# Altium PCB GEM_AFE_128.PcbDoc (part 1 of 18)
Units mm, origin at the board's own origin, x right, y up, seen from the top; angles counter-clockwise.
Board outline 112 x 81.5 mm, 8 copper layers (Top Layer, L1, L2, L3, L4, L5, L6, Bottom Layer), stack 1.52 mm thick; 1880 components, 1258 nets, 6287 pads, 2369 vias.
Unrouted connection lines stored in the file: 4.
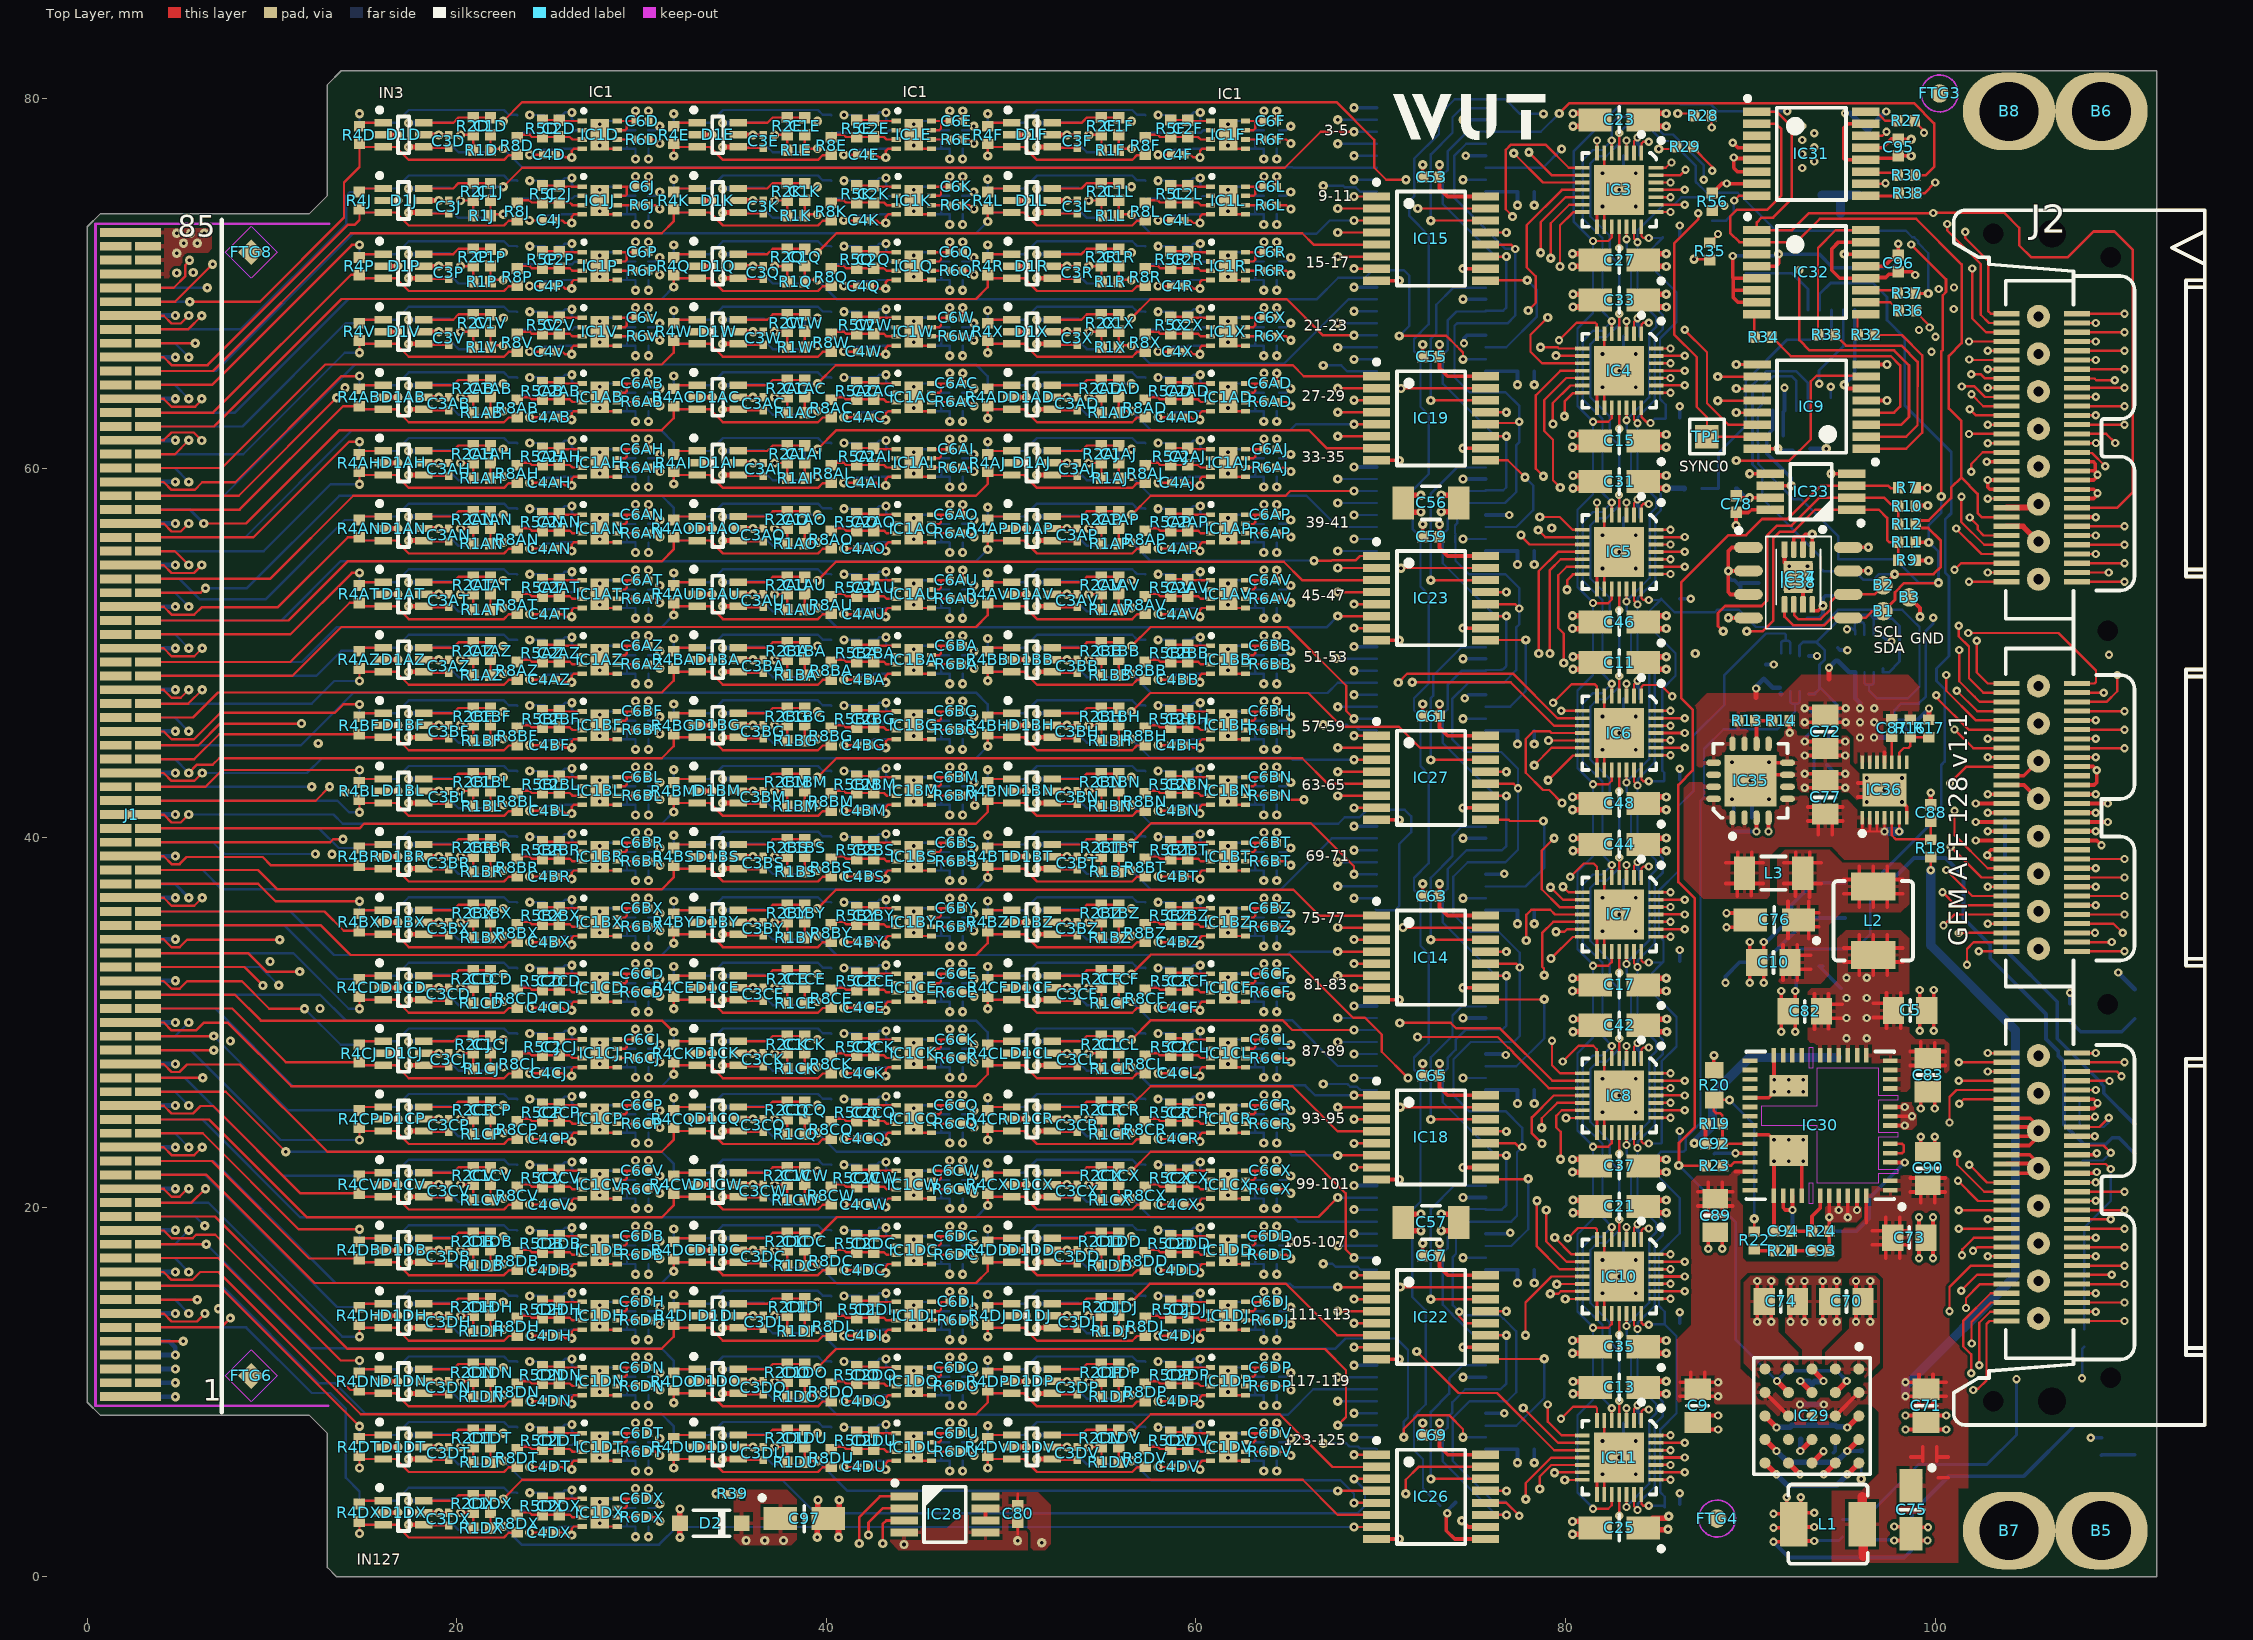
[diagram p0: Top Layer view]
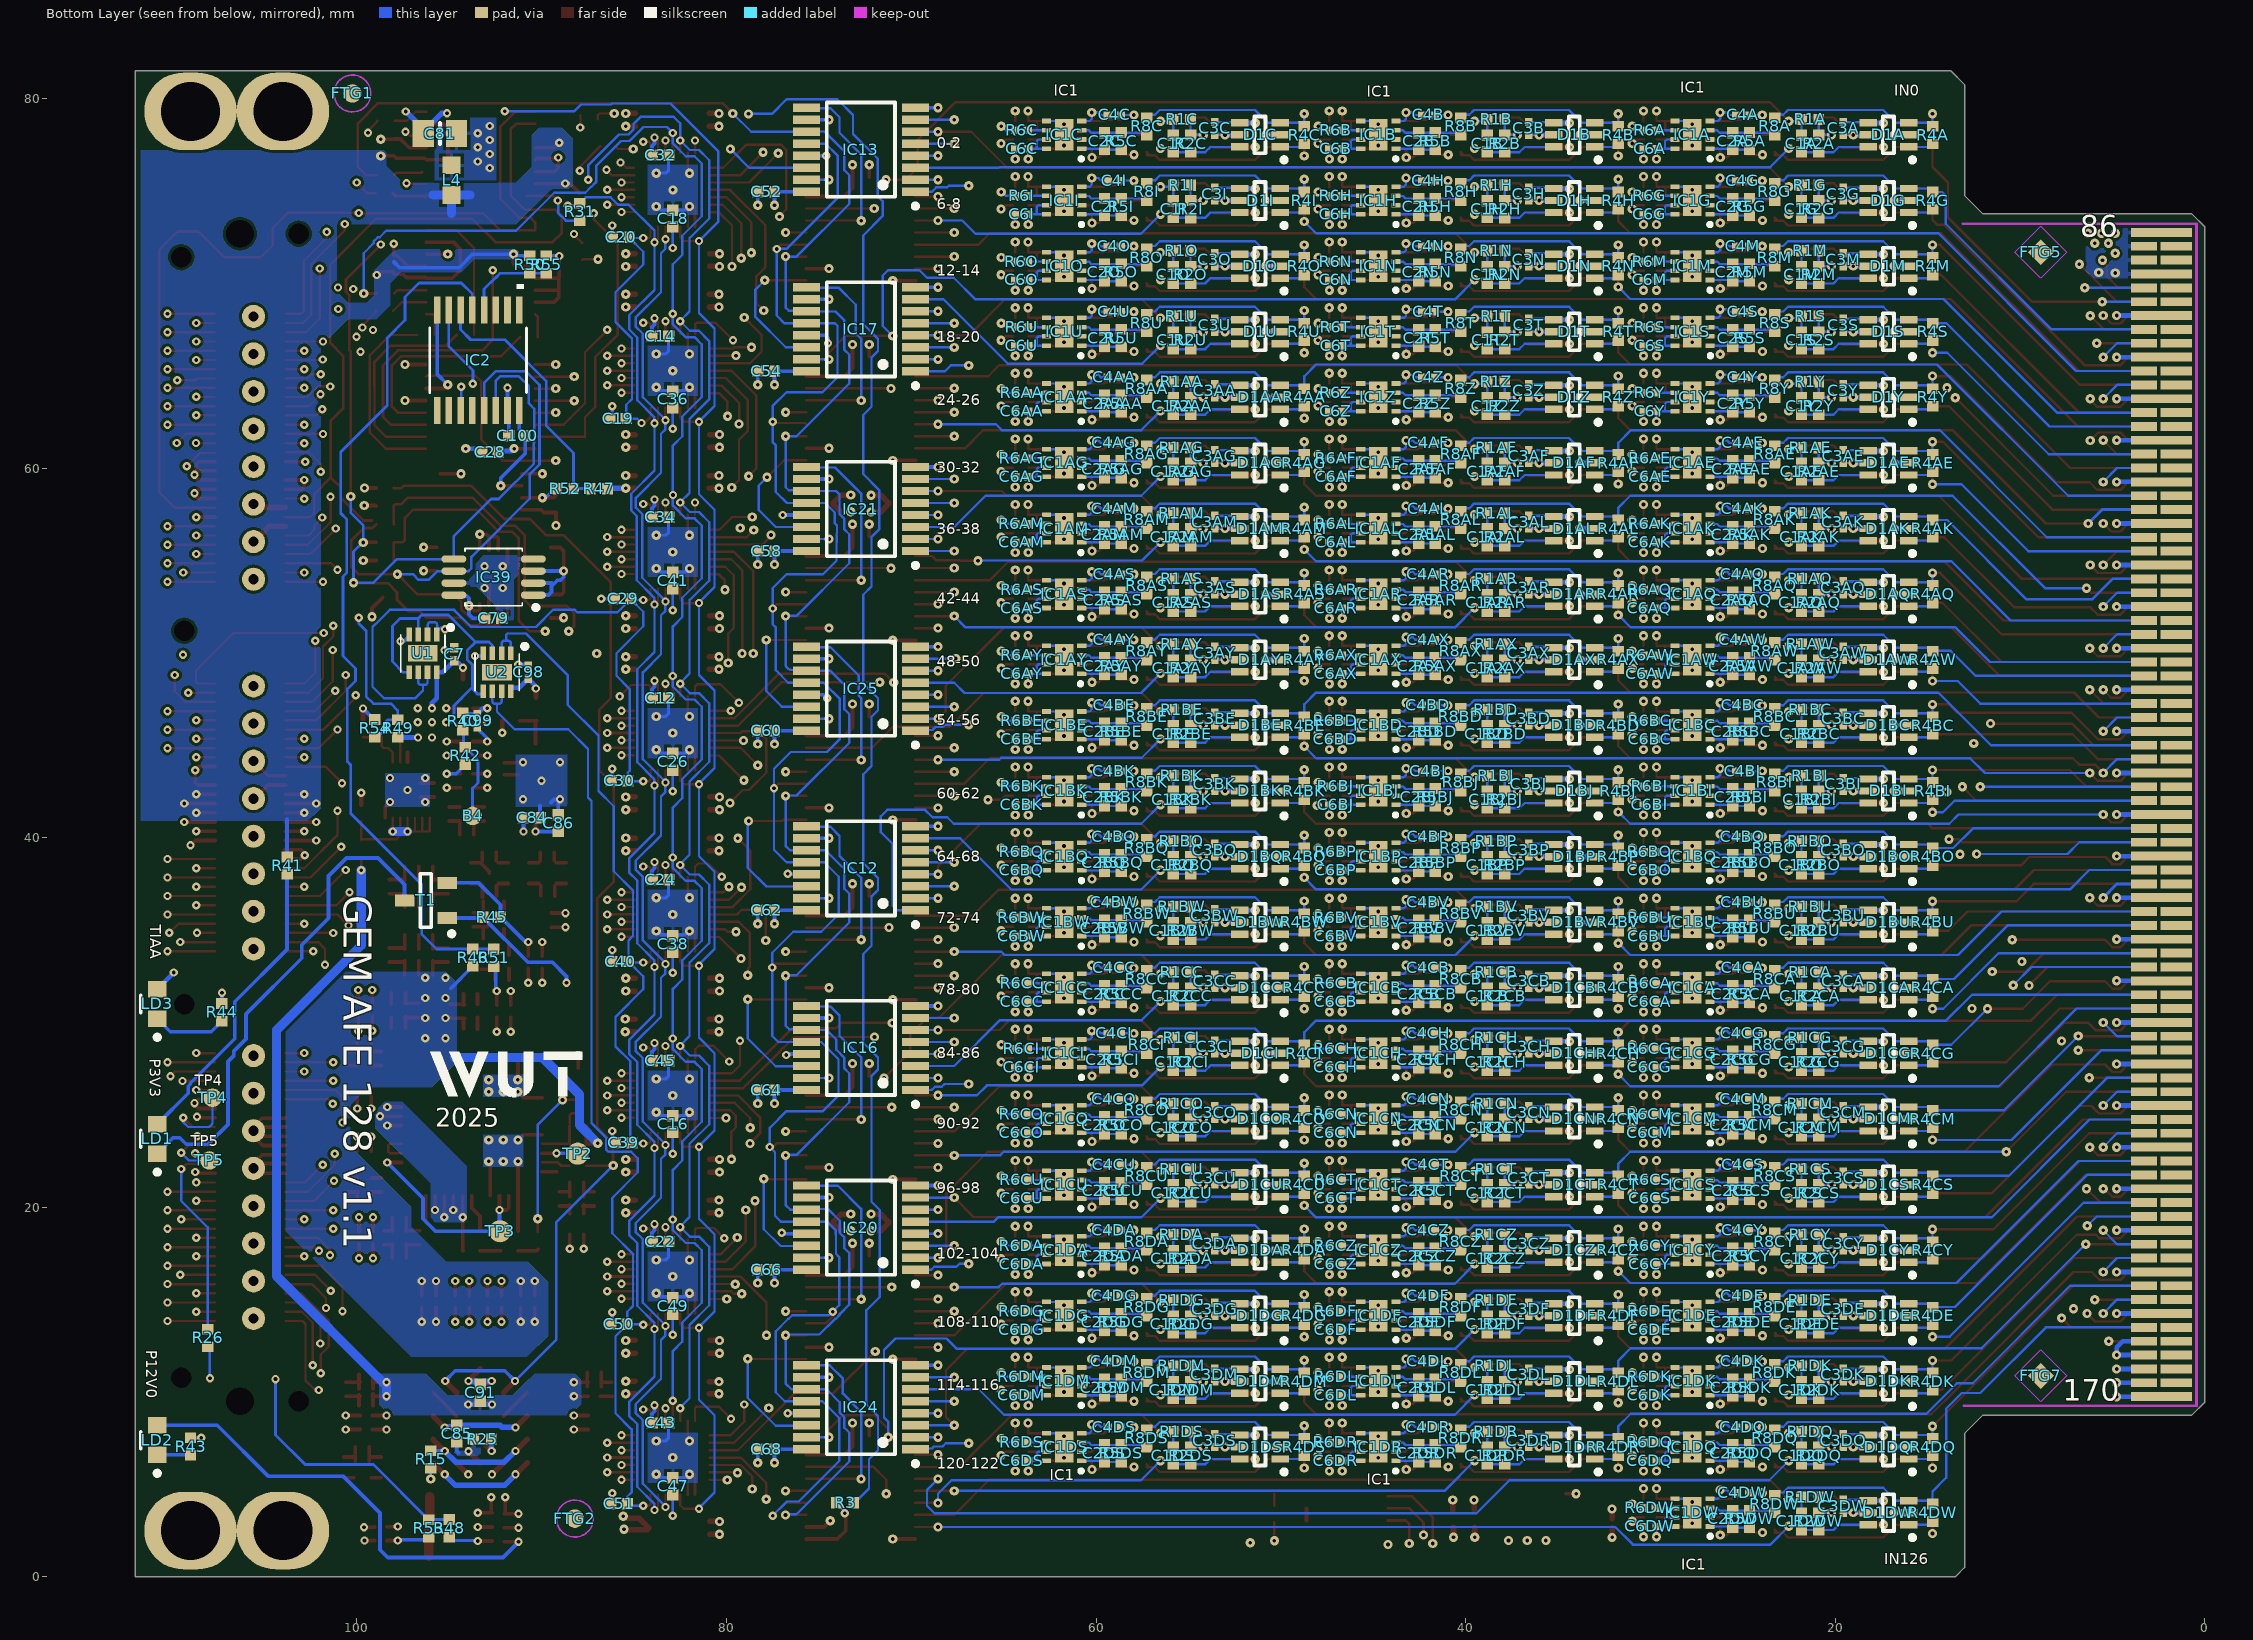
[diagram p1: Bottom Layer view, seen from below]
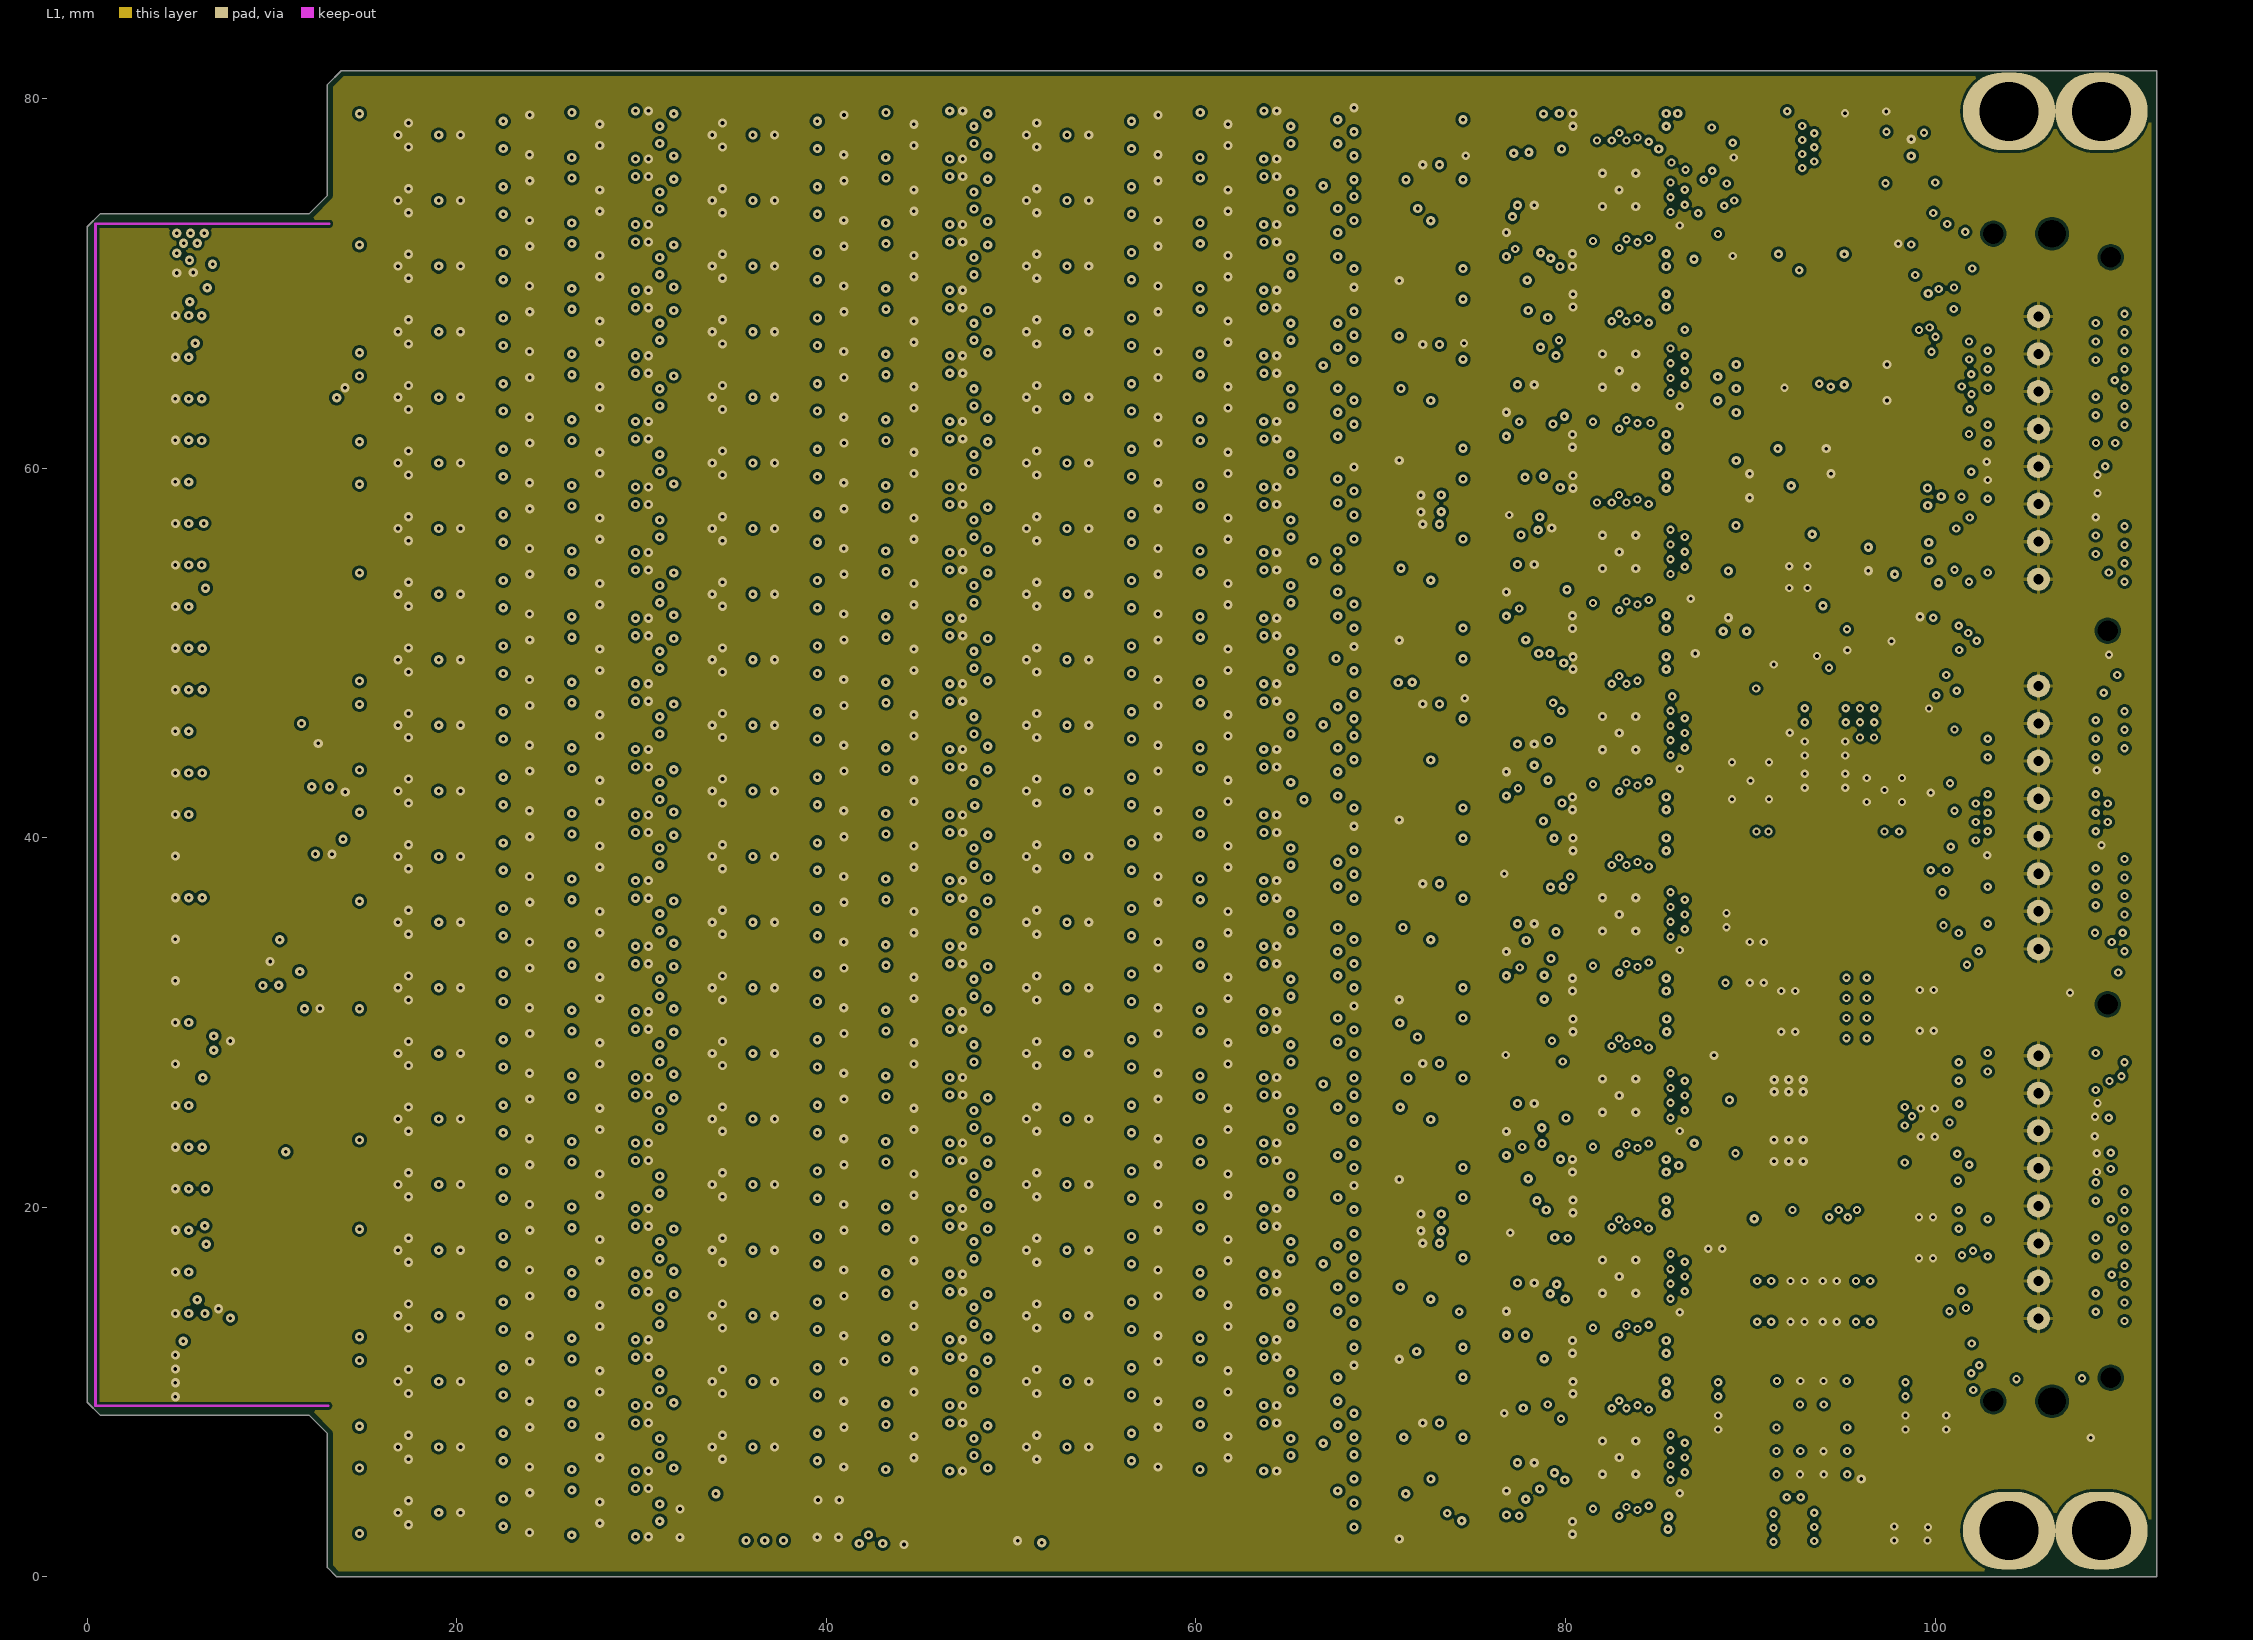
[diagram p2: L1]
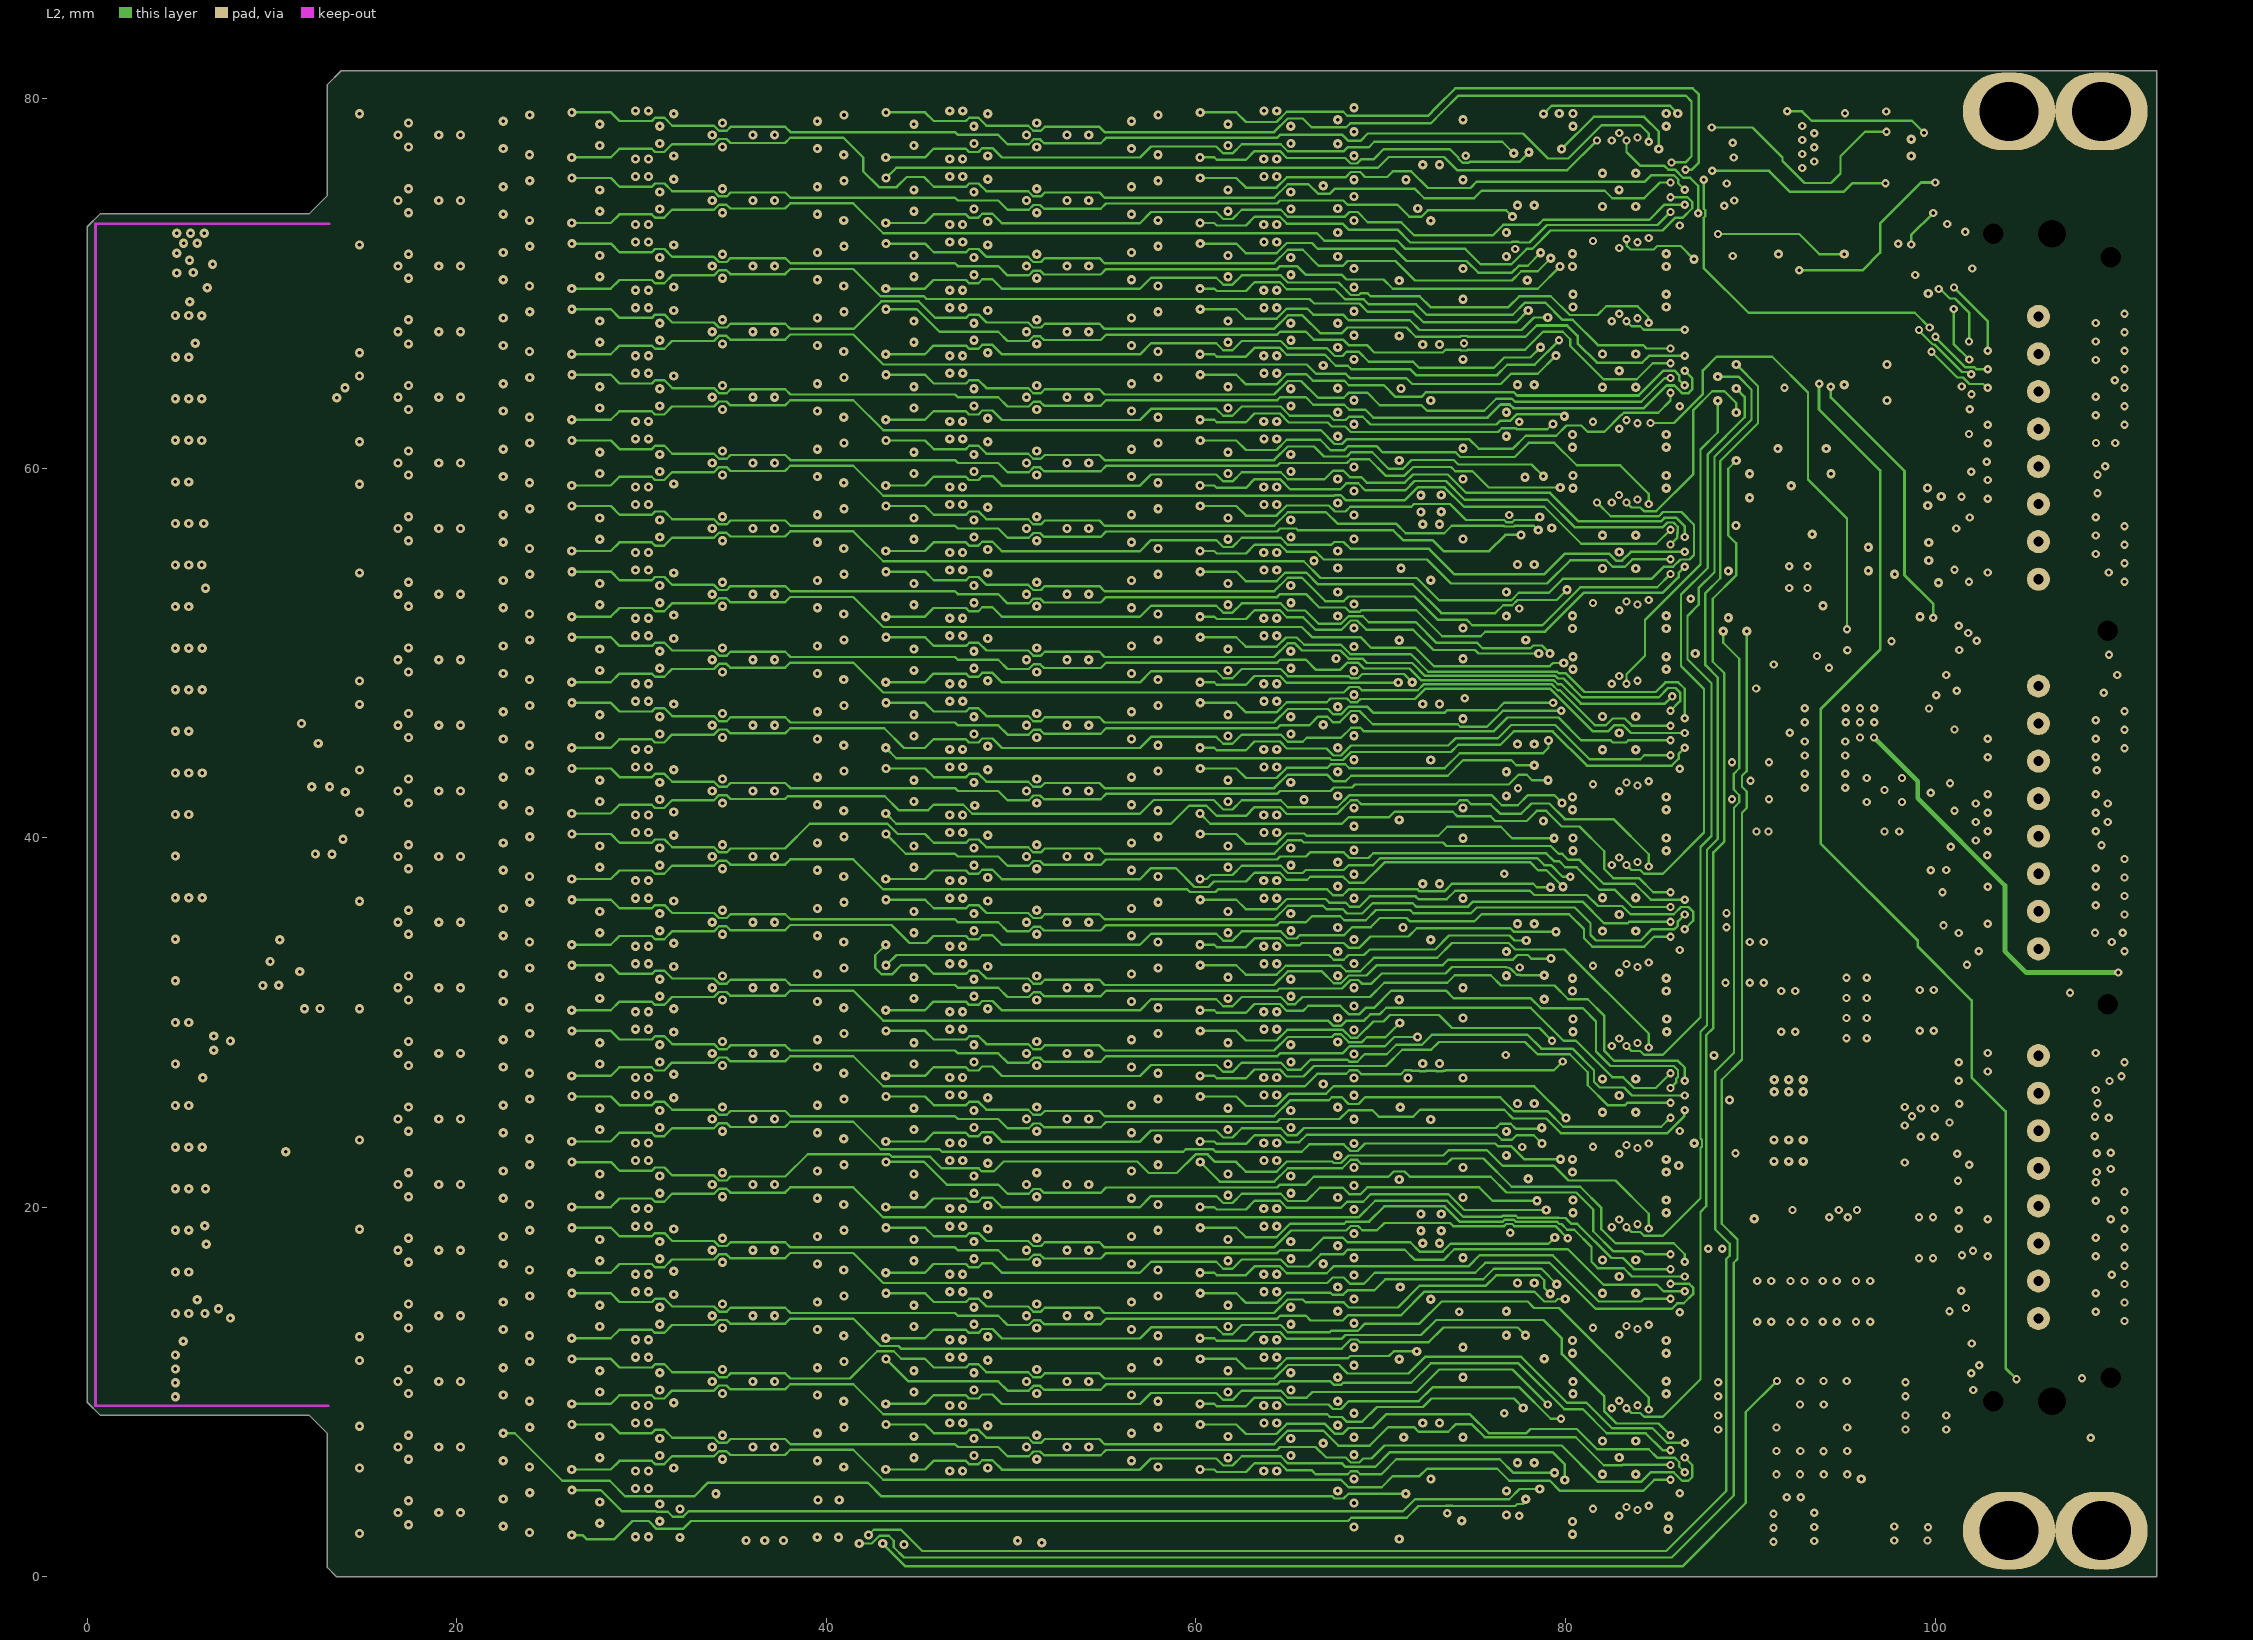
[diagram p3: L2]